# Altium PCB RK_NVR_DEMO1_RK3588_LP4XD200P232SD8_V21_20211228_final_lint.PcbDoc (part 22 of 29) (continued)
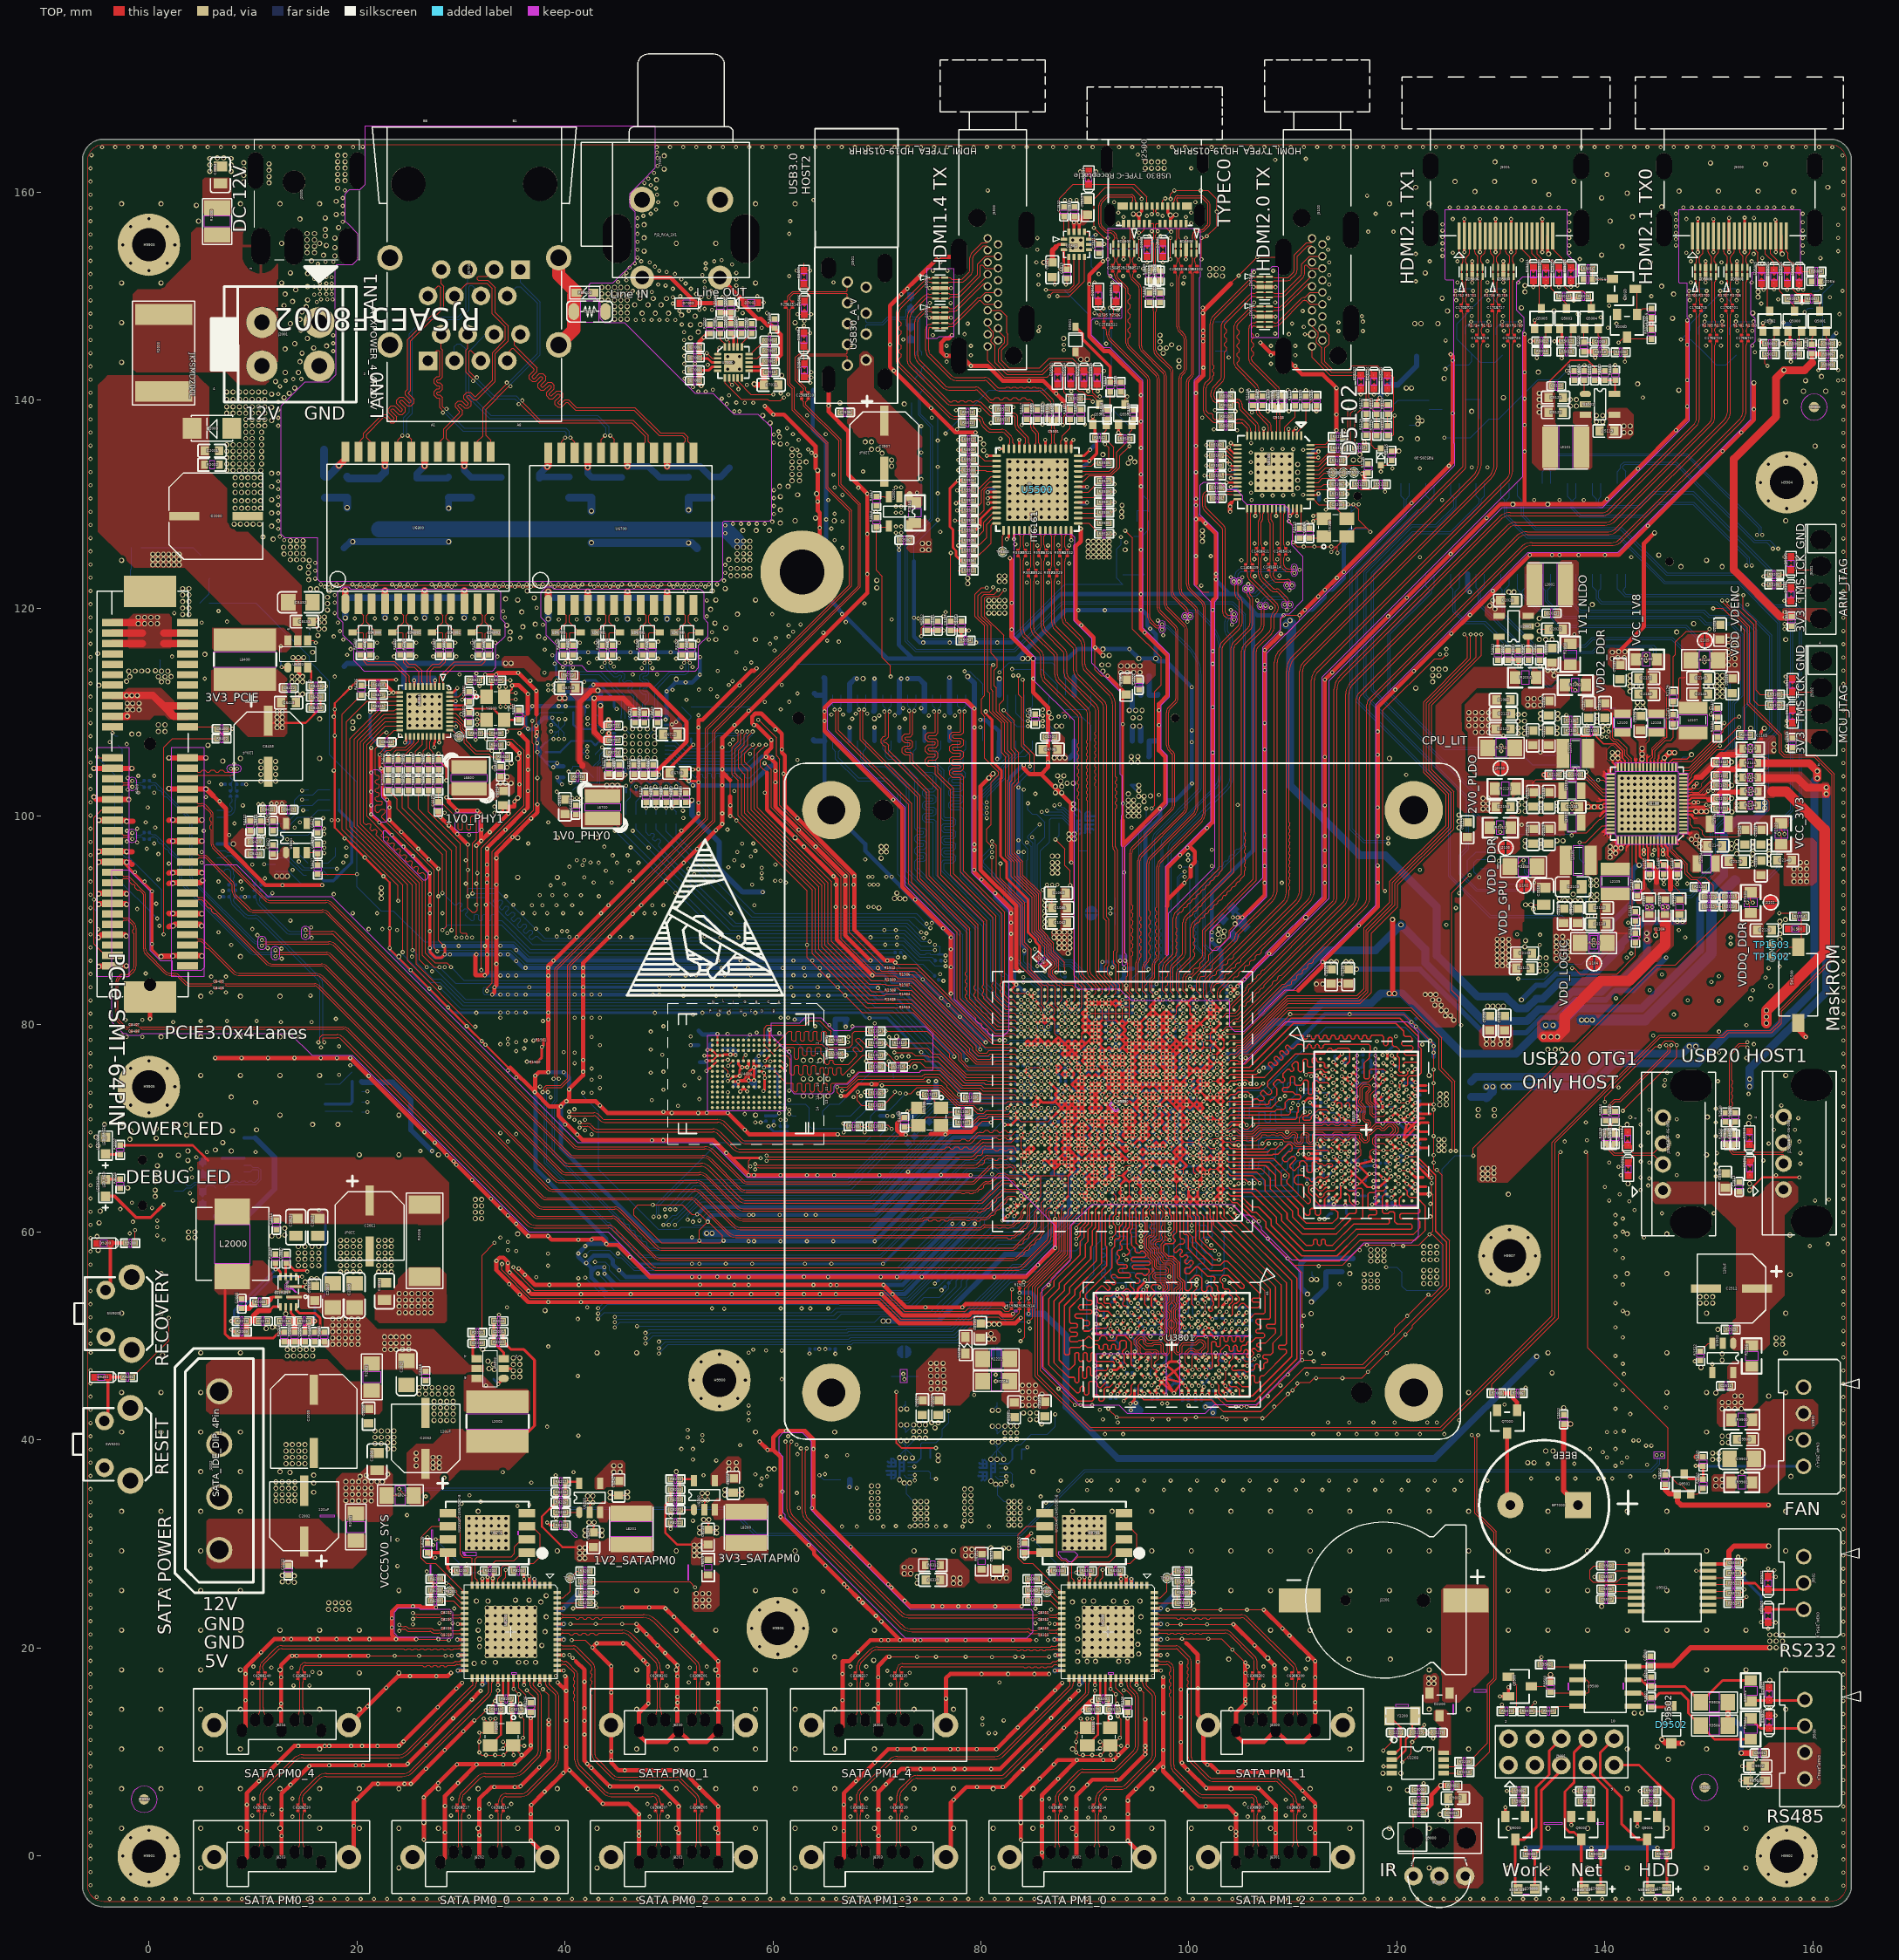
[diagram p0: TOP view]
## Nets (pads, with @x,y where several pads share a name; then routed paths per layer and width w, separated by ;. In a path a pad name is that pad's centre, name@x,y a point inside that pad or via, vN(x,y) a via of type N, cw(c..) or ccw(c..) an arc to the next point about the centre after c; other vN are vias at no path point) (continued)
SATAPM1_TXP_2: C8305.2 J8301.2 | length 4.2
  TOP w0.076: C8305.2@110.556,4.398 ccw(c110.98,3.973) 110.38,3.973 110.38,1.562 ccw(c112.003,1.563) 110.855,0.415 J8301.2@110.875,0.395
SATAPM1_TXP_3: C8320.2 J8303.2 | length 4.2
  TOP w0.076: C8320.2@72.375,4.398 72.356,4.378 ccw(c72.733,4.001) 72.2,4.001 72.2,1.398 ccw(c73.425,1.398) 72.558,0.531 J8303.2@72.695,0.395
SATAPM1_TXP_4: C8335.2 J8304.2 | length 4.2
  TOP w0.076: C8335.2@72.375,17.098 72.356,17.078 ccw(c72.733,16.701) 72.2,16.701 72.2,14.179 ccw(c73.62,14.178) 72.616,13.174 J8304.2@72.695,13.095
SATAPM1_XIN: C8313.1 R8307.2 U8300.39 Y8300.3 | length 7
  TOP w0.203: Y8300.3@90.23,10.644 91.253,11.667 C8313.1@91.253,14.1 91.253,15.044 R8307.2@91.301,15.092 91.469,15.26 U8300.39@91.469,17.127
SATAPM1_XOUT: C8311.1 R8307.1 U8300.40 Y8300.1 | length 5
  TOP w0.203: U8300.40@91.969,17.127 91.969,15.324 R8307.1@92.201,15.092 92.27,15.023 C8311.1@92.27,14.101 92.27,12.503 Y8300.1@92.43,12.344
SLEEP1_RESET1_DEVOFF1_VSEL1: R1103.1 U1000.R32 | length 6.1
  TOP w0.102: v4(83.866,71.281) U1000.R32@84.191,70.956
  BOTTOM w0.089: 82.09,71.362 82.668,71.362 83.1,70.93 83.456,70.93 83.807,71.281 v4(83.866,71.281)
  BOTTOM w0.102: R1103.1@78.699,71.057 79.138,71.057 79.443,71.362 82.09,71.362
  other v3: 83.866,71.281
SPDIF0_TX_M1: R1922.2 R5506.1 U5500.53 | length 48.1
  TOP w0.254: R5506.1@79.283,127.457 79.455,127.457 v4(79.849,127.851) 79.951,127.953 79.951,128.562 81.045,129.657 U5500.53@81.512,129.657 ; v4(80.459,110.071) 80.459,109.868 81.068,109.258 81.068,105.296 81.983,104.382 81.983,103.67 81.881,103.569 81.881,96.152 82.491,95.542 82.491,94.018 84.523,91.986 84.523,88.834 85.234,88.123 85.234,87.922 85.64,87.516 85.64,86.527 R1922.2@85.525,86.412
  L4-S1 w0.254: v4(79.849,127.851) 79.849,121.755 79.443,121.349 79.443,117.488 79.036,117.082 79.036,114.948 79.544,114.44 79.544,110.986 v4(80.459,110.071)
  other v3: 80.459,110.071 79.849,127.851
  other v17: 80.459,110.071 79.849,127.851
SPI2_CLK_M2: R1104.1 U1000.N31 | length 5.2
  TOP w0.102: v4(84.516,69.331) U1000.N31@84.841,69.656
  BOTTOM w0.089: 82.09,70.65 82.541,70.65 82.886,70.306 84,70.306 84.191,70.115 84.191,69.656 v4(84.516,69.331)
  BOTTOM w0.102: R1104.1@80.985,69.787 81.227,69.787 82.09,70.65
  other v3: 84.516,69.331
SPI2_CS0_M2: R1106.1 U1000.K30 | length 17
  TOP w0.102: v4(85.166,67.381) U1000.K30@85.491,67.705
  L6-S2 w0.089: 82.09,67.501 83.239,67.501 83.507,67.768 84.778,67.768 v4(85.166,67.381)
  L6-S2 w0.102: v4(70.908,69.914) 73.321,67.501 82.09,67.501
  BOTTOM w0.102: R1106.1@70.317,69.152 70.317,69.348 70.883,69.914 v4(70.908,69.914)
  other v3: 85.166,67.381 70.908,69.914
  other v12: 85.166,67.381 70.908,69.914
SPI2_MISO_M2: R1107.1 R1108.1 U1000.L29 | length 18.7
  TOP w0.089: v4(85.815,68.681) U1000.L29@86.141,68.356
  TOP w0.102: R1107.1@70.317,70.168 70.444,70.295 71.035,70.295 v4(71.416,69.914)
  L6-S2 w0.089: 82.09,67.806 83.235,67.806 83.405,67.975 85.11,67.975 v4(85.815,68.681)
  L6-S2 w0.102: v4(71.416,69.914) 73.524,67.806 82.09,67.806
  BOTTOM w0.102: R1108.1@70.317,70.168 70.444,70.295 71.035,70.295 v4(71.416,69.914)
  other v3: 85.815,68.681 71.416,69.914
  other v12: 85.815,68.681 71.416,69.914
SPI2_MOSI_M2: R1105.1 U1000.N30 | length 21.1
  TOP w0.102: v4(66.768,70.447) 67.047,70.168 R1105.1@67.308,70.168 ; v4(85.166,69.331) U1000.N30@85.491,69.656
  L6-S2 w0.089: 82.09,68.415 83.405,68.415 83.464,68.356 84.65,68.356 84.84,68.546 84.84,68.835 85.166,69.16 v4(85.166,69.331)
  L6-S2 w0.102: v4(66.768,70.447) 66.844,70.523 71.645,70.523 72.127,70.041 73.855,70.041 75.48,68.415 82.09,68.415
  other v3: 85.166,69.331 66.768,70.447
  other v12: 85.166,69.331 66.768,70.447
TSADC_SHUT_H: R1102.2 U1000.P32 | length 2
  TOP w0.102: v4(83.866,69.981) U1000.P32@84.191,70.306
  BOTTOM w0.089: R1102.2@82.795,69.275 82.795,69.575 83.202,69.981 v4(83.866,69.981)
  other v3: 83.866,69.981
TYPEC0_CC1: C2521.1 D2518.1 J2500.A5 U2503.10 U2503.11 | length 11.4
  TOP w0.102: U2503.11@89.946,156.188 90.216,156.188 90.406,155.999 U2503.10@90.406,155.478 90.873,155.478 C2521.1@91.33,155.022 v4(91.863,155.022) ; J2500.A5@97.715,156.975 97.715,156.671 98.188,156.198 v4(98.289,156.198)
  BOTTOM w0.102: v4(91.863,155.022) 92.313,154.572 97.07,154.572 97.35,154.851 D2518.1@97.35,155.162 97.35,155.41 98.137,156.198 v4(98.289,156.198)
  other v3: 91.863,155.022 98.289,156.198
TYPEC0_CC2: C2520.1 D2519.1 J2500.B5 U2503.1 U2503.14 | length 16.2
  TOP w0.102: U2503.1@87.986,155.478 C2520.1@87.986,157.669 ; U2503.14@88.446,156.188 88.446,157.209 C2520.1@87.986,157.669 ; J2500.B5@95.965,158.675 95.965,159.529 94.75,160.744 D2519.1@90.384,160.744 88.866,160.744 87.549,159.428 87.549,157.946 87.817,157.678 C2520.1@87.977,157.678 C2520.1@87.986,157.669
TYPEC0_DM: D2505.1 J2500.A7 J2500.B7 L2500.1 R2509.2 | length 11.8
  TOP w0.084: J2500.A7@96.214,156.975 96.529,156.975 cw(c96.529,156.891) 96.611,156.909 cw(c96.529,156.89) 96.613,156.891 96.613,156.502 cw(c96.438,156.503) 96.562,156.379 v4(96.433,156.25) 96.487,156.197 cw(c96.183,155.893) 96.613,155.893 96.613,155.588 cw(c96.41,155.588) 96.41,155.385 96.308,155.385 ccw(c96.308,155.201) 96.178,155.331 D2505.1@95.953,155.105 96.529,155.105 cw(c96.529,155.022) 96.611,155.04 cw(c96.529,155.02) 96.613,155.022 96.613,153.025 cw(c96.021,153.025) L2500.1@96.439,152.606 ; J2500.B7@96.965,158.675 96.965,158.429 96.892,158.357 96.852,158.316 ccw(c96.938,158.23) 96.816,158.23 96.816,158.128 ccw(c96.976,158.128) 96.863,158.015 v4(96.997,157.881)
  L6-S2 w0.076: v4(96.433,156.25) 96.614,156.069 96.614,155.637 96.969,155.283 97.51,155.283 97.781,155.554 97.781,156.528 96.816,157.493 96.816,157.7 v4(96.997,157.881)
  other v3: 96.433,156.25 96.997,157.881
  other v12: 96.433,156.25 96.997,157.881
TYPEC0_DP: D2504.1 J2500.A6 J2500.B6 L2500.3 R2506.2 | length 11.1
  TOP w0.084: v4(96.432,157.881) 96.566,158.015 ccw(c96.454,158.128) 96.613,158.128 96.613,158.23 ccw(c96.49,158.23) 96.577,158.316 96.537,158.357 96.465,158.429 J2500.B6@96.465,158.675 ; L2500.3@96.99,152.606 cw(c97.408,153.025) 96.816,153.025 96.816,155.022 cw(c96.9,155.022) 96.9,155.105 D2504.1@97.477,155.105 97.251,155.331 ccw(c97.121,155.201) 97.121,155.385 97.019,155.385 cw(c97.019,155.588) 96.827,155.524 cw(c97.02,155.588) 96.816,155.588 96.816,155.893 cw(c97.239,155.893) 96.94,156.192 v4(96.999,156.25) 96.865,156.384 cw(c96.984,156.503) 96.816,156.502 96.816,156.891 cw(c96.9,156.891) 96.9,156.975 J2500.A6@97.215,156.975
  L6-S2 w0.076: v4(96.432,157.881) 96.613,157.7 96.613,157.409 97.578,156.443 97.578,155.639 97.426,155.486 97.053,155.486 96.818,155.722 96.818,156.07 v4(96.999,156.25)
  other v3: 96.999,156.25 96.432,157.881
  other v12: 96.999,156.25 96.432,157.881
TYPEC0_REXT: R1401.1 U1000.AH16 | length 1
  TOP w0.102: v4(94.265,79.731) U1000.AH16@94.591,79.405
  BOTTOM w0.089: R1401.1@93.866,79.413 93.948,79.413 v4(94.265,79.731)
  other v3: 94.265,79.731
TYPEC0_RX1N: ED2500.1 ED2500.10 J2500.B10 R2502.2 | length 11.7
  TOP w0.084: J2500.B10@98.465,158.675 98.465,158.943 cw(c98.642,158.943) 98.517,159.069 98.567,159.12 ccw(c98.381,159.307) 98.643,159.272 ccw(c98.381,159.307) 98.645,159.307 98.645,159.364 cw(c98.951,159.364) 98.951,159.67 101.114,159.67 cw(c101.113,159.174) 101.464,159.525 101.905,159.084 cw(c101.558,158.738) 102.049,158.738 102.049,157.112 cw(c101.436,157.112) 101.869,156.678 101.845,156.654 101.49,156.299 cw(c101.244,156.545) 101.244,156.198 100.88,156.198 ccw(c100.88,155.952) 100.707,156.126 100.647,156.066 ccw(c100.821,155.893) 100.575,155.893 100.575,155.588 ccw(c100.751,155.588) 100.627,155.464 cw(c100.392,155.229) 100.724,155.229 ED2500.1@100.724,155.009 ED2500.10@100.724,154.135 100.724,153.777 100.576,153.629 100.576,153.331 ccw(c101.269,153.331) R2502.2@100.779,152.841
TYPEC0_RX1P: ED2500.2 ED2500.9 J2500.B11 R2503.2 | length 11.1
  TOP w0.084: J2500.B11@98.964,158.675 98.964,158.863 ccw(c98.567,158.863) 98.887,159.099 cw(c98.981,159.193) 98.848,159.192 98.848,159.364 cw(c98.951,159.364) 98.951,159.467 101.113,159.467 cw(c101.113,159.174) 101.321,159.381 101.761,158.94 cw(c101.558,158.738) 101.845,158.738 101.845,157.112 cw(c101.436,157.112) 101.725,156.822 101.702,156.799 101.346,156.443 cw(c101.244,156.544) 101.244,156.401 100.88,156.401 ccw(c100.88,155.952) 100.563,156.269 100.503,156.21 ccw(c100.821,155.893) 100.372,155.893 100.372,155.581 cw(c100.214,155.581) 100.326,155.469 ccw(c100.573,155.223) 100.224,155.223 ED2500.2@100.224,155.009 ED2500.9@100.224,154.135 100.224,153.777 100.372,153.629 100.372,153.353 cw(c99.689,153.353) 100.172,152.87 R2503.2@100.144,152.841
TYPEC0_RX2N: ED2501.1 ED2501.10 J2500.A10 R2537.2 | length 4.2
  TOP w0.084: J2500.A10@94.715,156.975 94.715,156.58 cw(c94.605,156.58) 94.683,156.502 94.653,156.473 ccw(c94.826,156.299) 94.581,156.299 94.581,155.608 ccw(c94.804,155.608) 94.646,155.45 cw(c94.445,155.249) 94.73,155.249 ED2501.1@94.73,155.009 ED2501.10@94.73,154.135 94.73,153.823 cw(c94.619,153.823) 94.697,153.745 94.632,153.68 ccw(c94.756,153.556) 94.581,153.556 94.581,153.353 ccw(c95.081,153.353) 94.727,152.999 R2537.2@94.784,152.943
TYPEC0_RX2P: ED2501.2 ED2501.9 J2500.A11 R2538.2 | length 4.2
  TOP w0.084: R2538.2@94.149,152.943 94.249,153.043 ccw(c93.939,153.353) 94.378,153.353 94.378,153.556 ccw(c94.202,153.556) 94.326,153.68 94.262,153.745 cw(c94.34,153.823) 94.229,153.823 ED2501.9@94.229,154.135 ED2501.2@94.229,155.009 94.229,155.25 cw(c94.512,155.25) 94.312,155.45 ccw(c94.154,155.608) 94.378,155.608 94.378,156.299 ccw(c94.132,156.299) 94.306,156.473 94.276,156.502 cw(c94.425,156.651) 94.214,156.651 J2500.A11@94.214,156.975
TYPEC0_SBU1: C2522.2 D2517.1 J2500.A8 R2533.2 R2536.1 | length 14.7
  TOP w0.102: v4(92.397,148.882) 92.397,148.984 92.879,149.467 D2517.1@93.026,149.467 93.026,149.156 92.752,148.882 92.752,148.32 R2536.1@92.604,148.171 92.549,148.117 C2522.2@92.549,147.507 ; v4(95.191,156.096) 95.394,156.096 95.715,156.417 J2500.A8@95.715,156.975
  L6-S2 w0.102: v4(92.397,148.882) 92.397,148.984 92.092,149.289 92.092,152.578 94.733,155.22 94.733,155.994 94.937,156.198 95.089,156.198 v4(95.191,156.096)
  BOTTOM w0.102: v4(92.397,148.882) 92.346,148.832 92.346,147.71 R2533.2@92.549,147.507
  other v3: 92.397,148.882 95.191,156.096
  other v12: 92.397,148.882 95.191,156.096
TYPEC0_SBU1/DP0_AUXP: C2522.1 U1000.AL15 | length 73.2
  TOP w0.084: C2522.1@92.549,147.007 92.441,146.899 ccw(c92.795,146.546) 92.295,146.546 92.295,146.304 ccw(c92.815,146.304) 92.447,145.936 96.054,142.329 cw(c95.563,141.839) 96.257,141.839 96.257,119.104 ccw(c96.603,119.104) 96.359,118.86 96.846,118.372 ccw(c97.019,118.546) 97.019,118.3 97.121,118.3 ccw(c97.121,118.676) 97.386,118.41 v4(97.426,118.45)
  TOP w0.102: U1000.AL15@95.241,81.356 v4(95.565,81.031)
  BOTTOM w0.084: v4(95.565,81.031) 95.565,81.17 95.649,81.254 95.852,81.254 96.207,81.608 96.207,82.723 96.003,82.927 96.003,84.121 cw(c96.35,84.121) 96.105,84.366 96.571,84.832 ccw(c96.224,85.179) 96.715,85.179 96.715,97.816 cw(c97.356,97.816) 96.903,98.27 101.101,102.469 ccw(c100.897,102.672) 101.185,102.672 101.185,113.533 ccw(c97.341,113.533) 100.059,116.251 98.11,118.2 ccw(c97.867,117.957) 97.867,118.3 97.731,118.3 cw(c97.731,118.676) 97.465,118.41 v4(97.426,118.45)
  other v3: 95.565,81.031 97.426,118.45
TYPEC0_SBU1_DC: R2533.1 U1000.T29 | length 149.7
  TOP w0.102: U1000.T29@86.141,71.606 v4(86.467,71.932)
  L4-S1 w0.102: v4(51.807,61.202) 51.807,72.682 51.096,73.394 51.096,81.217 53.331,83.452 53.331,85.789 59.529,91.986 59.529,99.911 61.663,102.045 61.663,107.328 63.39,109.055 63.39,113.018 66.133,115.761 66.539,115.761 75.785,125.006 75.785,126.429 76.598,127.242 v4(76.598,136.792)
  BOTTOM w0.089: 82.09,70.854 82.618,70.854 82.922,70.549 84.243,70.549 84.841,71.147 84.841,71.415 85.031,71.605 86.14,71.605 v4(86.467,71.932)
  BOTTOM w0.102: v4(51.807,61.202) 51.807,61.608 53.128,62.929 69.486,62.929 76.903,70.346 79.044,70.346 79.654,70.955 81.989,70.955 82.09,70.854 ; v4(76.598,136.792) 80.763,140.958 86.148,140.958 86.351,141.161 88.282,141.161 88.587,141.466 91.33,141.466 92.549,142.684 R2533.1@92.549,147.007
  other v3: 51.807,61.202 86.467,71.932 76.598,136.792
  other v17: 51.807,61.202 76.598,136.792
TYPEC0_SBU2: C2523.2 D2516.1 J2500.B8 R2534.2 R2535.1 | length 20.3
  TOP w0.102: v4(91.787,148.832) 91.787,149.34 91.66,149.467 D2516.1@91.299,149.467 91.299,148.757 R2535.1@91.885,148.171 91.838,148.124 C2523.2@91.838,147.507 ; J2500.B8@97.465,158.675 97.465,159.183 97.629,159.347 97.68,159.347 v4(97.731,159.398)
  L6-S2 w0.102: v4(91.787,148.832) 91.787,148.857 91.889,148.959 91.889,152.662 94.53,155.304 94.53,156.96 94.196,157.294 94.196,158.149 94.784,158.738 97.019,158.738 97.629,159.347 97.68,159.347 v4(97.731,159.398)
  BOTTOM w0.102: v4(91.787,148.832) 91.838,148.832 92.041,148.628 92.041,147.71 R2534.2@91.838,147.507
  other v3: 91.787,148.832 97.731,159.398
  other v12: 91.787,148.832 97.731,159.398
TYPEC0_SBU2/DP0_AUXN: C2523.1 U1000.AM15 | length 73.3
  TOP w0.084: C2523.1@91.838,147.007 91.945,146.899 cw(c91.592,146.546) 92.092,146.546 92.092,146.304 ccw(c92.815,146.304) 92.304,145.792 95.91,142.185 cw(c95.563,141.838) 96.054,141.838 96.054,119.104 ccw(c96.603,119.104) 96.215,118.716 96.702,118.229 ccw(c97.019,118.546) 97.019,118.097 97.121,118.097 cw(c97.121,117.721) 97.387,117.987 v4(97.426,117.948)
  TOP w0.102: U1000.AM15@95.241,82.006 v4(95.565,81.681)
  BOTTOM w0.084: v4(95.565,81.681) 95.565,81.541 95.649,81.457 95.768,81.457 96.003,81.692 96.003,82.639 95.8,82.842 95.8,84.121 cw(c96.35,84.121) 95.961,84.51 96.427,84.976 ccw(c96.224,85.179) 96.511,85.179 96.511,86.201 96.469,86.243 ; 96.469,86.243 96.426,86.286 96.426,86.537 96.469,86.58 ; 96.469,86.916 96.426,86.958 96.426,87.21 96.469,87.252 ; 96.469,87.589 96.426,87.631 96.426,87.882 96.469,87.925 ; 96.469,88.261 96.426,88.304 96.426,88.555 96.469,88.597 ; 96.469,88.934 96.426,88.976 96.426,89.228 96.469,89.27 ; 96.469,89.606 96.426,89.649 96.426,89.9 96.469,89.943 ; 96.469,86.58 96.511,86.622 96.511,86.874 96.469,86.916 ; 96.469,87.252 96.511,87.295 96.511,87.546 96.469,87.589 ; 96.469,87.925 96.511,87.967 96.511,88.219 96.469,88.261 ; 96.469,88.597 96.511,88.64 96.511,88.891 96.469,88.934 ; 96.469,89.27 96.511,89.312 96.511,89.564 96.469,89.606 ; 96.469,89.943 96.511,89.985 96.511,97.816 cw(c97.356,97.817) 96.759,98.414 100.957,102.612 ccw(c100.898,102.672) 100.982,102.672 100.982,113.533 ccw(c97.341,113.533) 99.915,116.107 97.967,118.056 ccw(c97.85,117.912) 97.85,118.097 97.731,118.097 ccw(c97.73,117.721) 97.465,117.987 v4(97.426,117.948)
  other v3: 95.565,81.681 97.426,117.948
TYPEC0_SBU2_DC: R2534.1 U1000.U33 | length 304.7
  TOP w0.089: v4(83.216,71.931) U1000.U33@83.541,72.256
  L4-S1 w0.102: v4(49.471,60.694) 50.182,59.982 50.182,51.143 50.385,50.94 50.385,42.66 51.807,41.237 v4(51.807,40.983) ; v4(92.041,145.428) 95.8,141.669 95.8,126.835 97.426,125.21 97.426,119.215 98.035,118.606 98.035,117.285 97.629,116.878 97.629,102.553 v4(97.121,102.045) ; v4(138.574,39.154) 138.879,39.459 138.879,66.79 139.488,67.399 139.488,73.292 143.146,76.95 143.146,88.837 v4(142.231,89.751)
  L6-S2 w0.102: v4(51.807,40.983) 56.887,40.983 59.58,38.291 63.745,38.291 64.914,39.459 74.972,39.459 75.48,39.967 77.106,39.967 77.654,39.419 83.872,39.419 84.116,39.662 84.904,39.662 85.92,38.646 127.906,38.646 128.82,39.561 138.167,39.561 v4(138.574,39.154) ; v4(97.121,102.045) 97.527,102.451 100.474,102.451 101.591,103.569 123.537,103.569 125.061,102.045 125.061,99.098 127.093,97.066 128.515,97.066 129.43,96.152 130.141,96.152 130.395,95.898 130.395,94.882 131.36,93.917 132.884,93.917 133.087,94.12 137.05,94.12 138.269,92.901 139.59,92.901 142.231,90.259 v4(142.231,89.751)
  BOTTOM w0.089: 82.09,72.301 82.845,72.301 v4(83.216,71.931)
  BOTTOM w0.102: v4(49.471,60.694) 50.385,61.608 50.69,61.608 52.925,63.843 69.384,63.843 77.233,71.692 78.376,71.692 78.985,72.301 82.09,72.301 ; R2534.1@91.838,147.007 91.838,145.631 v4(92.041,145.428)
  other v3: 138.574,39.154 51.807,40.983 49.471,60.694 83.216,71.931 142.231,89.751 97.121,102.045 92.041,145.428
  other v12: 138.574,39.154 51.807,40.983 142.231,89.751 97.121,102.045
  other v17: 138.574,39.154 51.807,40.983 49.471,60.694 142.231,89.751 97.121,102.045 92.041,145.428
TYPEC0_SSRX1N: R2502.1 U1000.AP13 | length 72.1
  TOP w0.084: U1000.AP13@96.541,83.306 96.45,83.396 96.45,84.203 96.715,84.468 96.715,85.746 cw(c97.062,85.746) 96.816,85.992 97.002,86.177 ccw(c96.713,86.465) 97.121,86.466 97.121,95.118 cw(c97.696,95.118) 97.289,95.525 101.227,99.462 ccw(c100.347,100.342) 101.591,100.342 101.591,120.046 ccw(c100.694,120.046) 101.329,120.68 100.16,121.848 cw(c100.63,122.318) 99.966,122.318 99.966,141.77 cw(c100.21,141.77) 100.037,141.943 100.321,142.227 ccw(c99.975,142.574) 100.465,142.574 100.465,152.23 cw(c100.575,152.23) 100.575,152.341 R2502.1@100.779,152.341
TYPEC0_SSRX1P: R2503.1 U1000.AN13 | length 73.2
  TOP w0.084: U1000.AN13@96.541,82.656 96.541,82.89 96.247,83.183 96.247,84.288 96.511,84.552 96.511,85.746 cw(c97.062,85.747) 96.672,86.135 96.858,86.321 ccw(c96.713,86.466) 96.918,86.466 96.918,86.589 96.816,86.69 96.816,86.942 96.918,87.043 96.918,87.295 96.816,87.396 96.816,87.648 96.918,87.749 96.918,88.001 96.816,88.102 96.816,88.354 96.918,88.456 96.918,88.707 96.816,88.809 96.816,89.06 96.918,89.162 96.918,89.413 96.816,89.515 96.816,89.766 96.918,89.868 96.918,90.119 96.816,90.221 96.816,90.472 96.918,90.574 96.918,90.825 96.816,90.927 96.816,91.178 96.918,91.28 96.918,95.118 cw(c97.696,95.118) 97.146,95.668 101.083,99.606 ccw(c100.348,100.342) 101.388,100.342 101.388,120.045 ccw(c100.694,120.045) 101.185,120.536 100.017,121.704 cw(c100.63,122.318) 99.763,122.318 99.763,141.77 cw(c100.21,141.77) 99.894,142.087 100.178,142.371 ccw(c99.975,142.574) 100.262,142.574 100.262,152.055 ccw(c99.858,152.055) R2503.1@100.144,152.341
TYPEC0_SSRX2N: R2537.1 U1000.AP15 | length 73.7
  TOP w0.084: R2537.1@94.784,152.442 94.774,152.432 ccw(c95.276,151.93) 94.566,151.93 ccw(c94.812,151.93) 94.638,151.757 95.234,151.161 cw(c94.725,150.653) 95.445,150.653 95.445,145.191 ccw(c95.969,145.191) 95.598,144.82 97.63,142.788 cw(c97.161,142.318) 97.825,142.318 97.825,120.434 ccw(c98.338,120.435) 97.975,120.071 98.027,120.019 99.652,118.394 cw(c99.14,117.882) 99.864,117.882 99.864,100.88 cw(c98.997,100.88) 99.61,100.267 95.445,96.101 ccw(c95.813,95.733) 95.292,95.733 95.292,90.36 95.394,90.258 95.394,90.007 95.292,89.905 95.292,89.654 95.394,89.552 95.394,89.301 95.292,89.199 95.292,88.948 95.394,88.846 95.394,88.595 95.292,88.493 95.292,88.242 95.394,88.14 95.394,87.889 95.292,87.787 95.292,87.536 95.394,87.434 95.394,87.182 95.292,87.081 95.292,86.829 95.394,86.728 95.394,86.476 95.292,86.375 95.292,86.178 95.158,86.045 ccw(c95.285,85.918) 95.106,85.918 95.106,83.441 U1000.AP15@95.241,83.306
TYPEC0_SSRX2P: R2538.1 U1000.AN15 | length 73.9
  TOP w0.084: R2538.1@94.149,152.442 94.152,152.439 cw(c93.644,151.931) 94.363,151.93 ccw(c94.812,151.93) 94.494,151.613 95.09,151.017 cw(c94.725,150.652) 95.241,150.652 95.241,145.191 ccw(c95.969,145.191) 95.454,144.676 97.486,142.644 cw(c97.161,142.318) 97.621,142.318 97.621,120.434 ccw(c98.338,120.434) 97.831,119.927 99.509,118.25 cw(c99.141,117.882) 99.661,117.882 99.661,100.88 cw(c98.997,100.88) 99.466,100.411 95.301,96.245 ccw(c95.813,95.733) 95.089,95.733 95.089,86.263 95.015,86.188 ccw(c95.285,85.918) 94.903,85.918 94.903,83.13 95.241,82.792 U1000.AN15@95.241,82.656
TYPEC0_SSTX1N: C2501.1 U1000.AN14 | length 72.9
  TOP w0.084: U1000.AN14@95.891,82.656 95.891,82.89 95.557,83.224 95.557,85.508 cw(c96.097,85.508) 95.715,85.889 95.91,86.085 ccw(c95.82,86.175) 95.948,86.175 95.948,95.468 cw(c96.688,95.468) 96.164,95.991 100.381,100.207 ccw(c99.666,100.922) 100.677,100.922 100.677,119.71 ccw(c100.359,119.711) 100.584,119.935 99.314,121.205 cw(c99.948,121.839) 99.051,121.839 99.051,142.135 cw(c99.602,142.135) 99.212,142.524 99.466,142.778 ccw(c99.242,143.002) 99.559,143.002 99.559,145.78 ccw(c98.895,145.78) 99.365,146.249 99.051,146.563 cw(c99.542,147.053) 98.848,147.053 98.848,151.85 ccw(c98.154,151.85) C2501.1@98.645,152.341
TYPEC0_SSTX1P: C2502.1 U1000.AP14 | length 73.1
  TOP w0.084: U1000.AP14@95.891,83.306 95.76,83.436 95.76,83.665 95.963,83.868 95.963,84.097 95.76,84.3 95.76,85.508 cw(c96.097,85.508) 95.859,85.746 96.054,85.941 ccw(c95.82,86.175) 96.151,86.175 96.151,86.267 96.229,86.345 96.308,86.423 96.308,86.675 96.23,86.753 96.151,86.832 96.151,87.083 96.229,87.162 96.308,87.24 96.308,87.492 96.23,87.57 96.151,87.649 96.151,87.9 96.229,87.979 96.308,88.057 96.308,88.309 96.23,88.387 96.151,88.466 96.151,88.717 96.229,88.796 96.308,88.874 96.308,89.126 96.23,89.204 96.151,89.283 96.151,89.534 96.229,89.612 96.308,89.691 96.308,89.942 96.23,90.021 96.151,90.099 96.151,90.351 96.229,90.429 96.308,90.508 96.308,90.759 96.23,90.838 96.151,90.916 96.151,95.468 cw(c96.688,95.468) 96.308,95.847 100.525,100.064 ccw(c99.666,100.922) 100.88,100.922 100.88,119.71 ccw(c100.359,119.711) 100.728,120.079 99.458,121.349 cw(c99.948,121.839) 99.255,121.839 99.255,142.135 cw(c99.602,142.135) 99.356,142.38 99.61,142.634 ccw(c99.242,143.002) 99.763,143.002 99.763,145.78 ccw(c98.895,145.78) 99.509,146.393 99.255,146.647 99.195,146.707 cw(c99.542,147.054) 99.051,147.054 99.051,151.79 cw(c99.832,151.79) C2502.1@99.28,152.342
TYPEC0_SSTX2N: C2524.1 U1000.AN16 | length 74.5
  TOP w0.084: C2524.1@92.651,152.442 92.723,152.369 cw(c92.386,152.032) 92.863,152.032 ccw(c93.456,152.032) 93.037,151.613 93.904,150.745 cw(c93.759,150.601) 93.964,150.601 93.964,145.44 ccw(c94.491,145.44) 94.118,145.067 96.811,142.374 cw(c96.466,142.03) 96.953,142.03 96.953,120.056 ccw(c97.556,120.056) 97.13,119.63 98.613,118.147 cw(c98.29,117.824) 98.747,117.824 98.747,111.303 cw(c98.429,111.303) 98.654,111.079 98.023,110.448 ccw(c98.485,109.986) 97.832,109.986 97.832,106.82 ccw(c98.526,106.82) 98.034,106.33 98.358,106.007 cw(c98.155,105.804) 98.442,105.804 98.442,101.114 cw(c97.95,101.114) 98.298,100.766 94.539,97.007 ccw(c95.111,96.435) 94.302,96.434 94.302,83.579 94.276,83.553 94.276,83.147 94.591,82.832 U1000.AN16@94.591,82.656
TYPEC0_SSTX2P: C2525.1 U1000.AP16 | length 75.4
  TOP w0.084: C2525.1@93.286,152.443 93.202,152.36 ccw(c93.53,152.032) 93.066,152.032 ccw(c93.456,152.032) 93.181,151.756 93.235,151.702 94.048,150.889 cw(c93.759,150.601) 94.167,150.601 94.167,150.279 94.378,150.068 94.378,149.817 94.167,149.606 94.167,149.355 94.378,149.144 94.378,148.892 94.167,148.681 94.167,148.43 94.378,148.219 94.378,147.968 94.167,147.757 94.167,147.505 94.378,147.295 94.378,147.043 94.167,146.832 94.167,146.581 94.378,146.37 94.378,146.119 94.167,145.908 94.167,145.44 ccw(c94.491,145.44) 94.262,145.211 96.954,142.518 cw(c96.466,142.03) 97.157,142.03 97.157,120.056 ccw(c97.556,120.056) 97.273,119.774 98.757,118.291 cw(c98.29,117.824) 98.95,117.824 98.95,111.303 cw(c98.429,111.303) 98.797,110.935 98.167,110.305 ccw(c98.485,109.986) 98.035,109.986 98.035,106.82 ccw(c98.526,106.82) 98.179,106.473 98.188,106.464 98.501,106.151 cw(c98.155,105.804) 98.645,105.804 98.645,101.114 cw(c97.95,101.114) 98.442,100.622 94.682,96.863 ccw(c95.111,96.434) 94.505,96.434 94.505,91.476 94.624,91.356 94.624,91.105 94.505,90.985 94.505,90.734 94.624,90.614 94.624,90.363 94.505,90.244 94.505,89.992 94.624,89.873 94.624,89.621 94.505,89.502 94.505,89.251 94.624,89.131 94.624,88.88 94.505,88.76 94.505,88.509 94.624,88.389 94.624,88.138 94.505,88.019 94.505,87.767 94.624,87.648 94.624,87.396 94.505,87.277 94.505,87.025 94.624,86.906 94.624,86.655 94.505,86.535 94.505,83.494 94.479,83.469 94.479,83.417 U1000.AP16@94.591,83.306
TYPEC0_TX1N: C2501.2 ED2500.5 ED2500.6 J2500.A3 | length 4.3
  TOP w0.084: C2501.2@98.645,152.841 98.708,152.904 ccw(c98.311,153.301) 98.873,153.301 98.873,153.629 98.724,153.777 ED2500.6@98.724,154.135 ED2500.5@98.724,155.009 98.724,155.291 cw(c98.908,155.291) 98.778,155.421 98.805,155.449 ccw(c98.666,155.588) 98.863,155.588 98.863,156.417 ccw(c98.763,156.417) 98.834,156.488 cw(c99.121,156.776) 98.715,156.776 J2500.A3@98.715,156.975
TYPEC0_TX1P: C2502.2 ED2500.4 ED2500.7 J2500.A2 | length 4.3
  TOP w0.084: J2500.A2@99.215,156.975 99.215,156.759 cw(c98.848,156.759) 99.107,156.5 ccw(c99.206,156.401) 99.066,156.401 99.066,155.588 ccw(c99.219,155.588) 99.111,155.48 99.129,155.462 cw(c98.899,155.232) 99.224,155.232 ED2500.4@99.224,155.009 ED2500.7@99.224,154.135 99.224,153.777 99.076,153.629 99.076,153.301 ccw(c99.691,153.301) 99.256,152.866 C2502.2@99.28,152.842
TYPEC0_TX2N: C2524.2 ED2501.5 ED2501.6 J2500.B3 | length 11.8
  TOP w0.084: C2524.2@92.651,152.943 92.749,153.041 ccw(c92.436,153.353) 92.878,153.353 92.878,153.556 ccw(c92.703,153.556) 92.827,153.68 cw(c93.061,153.914) 92.73,153.914 ED2501.6@92.73,154.135 ED2501.5@92.73,155.009 92.73,155.298 cw(c92.897,155.298) 92.779,155.416 92.827,155.465 ccw(c92.703,155.588) 92.878,155.588 ccw(c92.446,155.588) 92.752,155.893 92.651,155.994 ccw(c92.405,155.749) 92.405,156.096 92.199,156.096 cw(c92.199,156.559) 91.872,156.232 91.465,156.638 cw(c91.77,156.943) 91.339,156.943 91.339,158.741 cw(c91.968,158.74) 91.523,159.185 91.558,159.22 91.914,159.576 cw(c92.343,159.146) 92.343,159.754 94.446,159.754 cw(c94.446,159.383) 94.816,159.383 94.816,159.273 ccw(c95.015,159.273) 94.874,159.133 cw(c94.657,158.915) 94.965,158.915 J2500.B3@94.965,158.675
TYPEC0_TX2P: C2525.2 ED2501.4 ED2501.7 J2500.B2 | length 11.1
  TOP w0.084: C2525.2@93.286,152.944 93.226,153.003 cw(c93.575,153.353) 93.081,153.353 93.081,153.556 cw(c93.256,153.556) 93.132,153.68 ccw(c92.897,153.915) 93.23,153.915 ED2501.7@93.23,154.135 ED2501.4@93.23,155.009 93.23,155.233 ccw(c92.905,155.233) 93.134,155.462 cw(c93.263,155.591) 93.081,155.589 cw(c93.263,155.59) 93.081,155.591 93.081,155.69 ccw(c92.692,155.69) 92.967,155.965 92.794,156.138 ccw(c92.405,155.749) 92.405,156.299 92.199,156.299 cw(c92.199,156.559) 92.016,156.375 91.609,156.782 cw(c91.77,156.943) 91.542,156.943 91.542,158.74 cw(c91.968,158.74) 91.667,159.041 91.702,159.076 92.058,159.432 cw(c92.343,159.146) 92.343,159.55 94.446,159.55 cw(c94.446,159.383) 94.613,159.383 94.613,159.246 cw(c94.479,159.246) 94.574,159.151 ccw(c94.837,158.888) 94.465,158.888 J2500.B2@94.465,158.675
TYPEC0_USB20_OTG_DM: R2508.1 U1000.AM12 | length 74.2
  TOP w0.084: R2508.1@96.207,149.397 96.249,149.355 cw(c95.369,148.476) 96.613,148.476 96.613,144.814 ccw(c97.296,144.814) 96.813,144.331 98.146,142.998 98.169,142.975 cw(c97.88,142.685) 98.289,142.685 98.289,121.514 ccw(c99.013,121.513) 98.501,121.002 99.619,119.884 cw(c99.272,119.537) 99.763,119.537 99.763,119.364 v4(99.613,119.215)
  TOP w0.102: U1000.AM12@97.191,82.006 v4(97.515,82.331)
  BOTTOM w0.084: v4(97.515,82.331) 97.51,82.331 97.397,82.444 97.397,82.712 97.527,82.842 97.527,97.371 cw(c98.06,97.371) 97.683,97.748 102.55,102.614 ccw(c101.184,103.98) 103.115,103.98 103.115,115.953 ccw(c99.205,115.953) 101.97,118.718 100.947,119.741 ccw(c100.744,119.537) 100.744,119.825 100.05,119.825 ccw(c100.05,119.538) 99.763,119.538 cw(c99.344,119.538) 99.64,119.242 v4(99.613,119.215)
  other v3: 97.515,82.331 99.613,119.215
TYPEC0_USB20_OTG_DP: R2507.1 U1000.AL12 | length 74.9
  TOP w0.084: R2507.1@97.223,149.397 97.18,149.355 ccw(c98.06,148.476) 96.816,148.476 96.816,144.814 ccw(c97.296,144.814) 96.957,144.475 98.289,143.143 98.313,143.119 cw(c97.88,142.685) 98.493,142.685 98.493,121.514 ccw(c99.013,121.514) 98.645,121.146 99.763,120.028 cw(c99.272,119.537) 99.966,119.537 99.966,119.365 v4(100.115,119.215)
  TOP w0.102: U1000.AL12@97.191,81.356 v4(97.515,81.681)
  BOTTOM w0.084: v4(97.515,81.681) 97.515,81.838 97.193,82.16 97.193,82.796 97.324,82.927 97.324,84.516 97.223,84.618 97.223,84.869 97.324,84.971 97.324,85.222 97.223,85.324 97.223,85.575 97.324,85.677 97.324,85.928 97.223,86.03 97.223,86.281 97.324,86.383 97.324,86.634 97.223,86.736 97.223,86.987 97.324,87.089 97.324,87.34 97.223,87.442 97.223,87.694 97.324,87.795 97.324,88.047 97.223,88.148 97.223,88.4 97.324,88.501 97.324,88.753 97.223,88.854 97.223,89.106 97.324,89.207 97.324,97.371 cw(c98.06,97.371) 97.54,97.891 102.406,102.758 ccw(c101.184,103.98) 102.912,103.98 102.912,115.953 ccw(c99.205,115.952) 101.826,118.574 100.803,119.597 ccw(c100.744,119.538) 100.744,119.622 100.05,119.622 ccw(c100.05,119.538) 99.966,119.538 ccw(c100.384,119.538) 100.088,119.242 v4(100.115,119.215)
  other v3: 97.515,81.681 100.115,119.215

## Text inside footprints (layer, text, board x,y; h text height)
R6709: PIN_NUMBER "2" at 40.69,109.961 h0.25; PIN_NUMBER "1" at 39.79,109.961 h0.25; ASSEMBLY_TOP "0R" at 40.138,109.834 h0.25 r180
R6710: PIN_NUMBER "1" at 53.926,132.628 h0.25 r270; PIN_NUMBER "2" at 53.926,130.628 h0.25 r270; ASSEMBLY_TOP "75R" at 53.85,131.628 h0.25 r270
R6711: PIN_NUMBER "2" at 51.793,130.628 h0.25 r270; PIN_NUMBER "1" at 51.793,132.628 h0.25 r270; ASSEMBLY_TOP "75R" at 51.717,131.628 h0.25 r270
R6712: PIN_NUMBER "2" at 42.446,130.628 h0.25 r270; PIN_NUMBER "1" at 42.446,132.628 h0.25 r270; ASSEMBLY_TOP "75R" at 42.369,131.628 h0.25 r270
R6713: PIN_NUMBER "2" at 40.312,130.628 h0.25 r270; PIN_NUMBER "1" at 40.312,132.628 h0.25 r270; ASSEMBLY_TOP "75R" at 40.236,131.628 h0.25 r270
R6714: PIN_NUMBER "2" at 42.649,104.796 h0.25; PIN_NUMBER "1" at 41.748,104.796 h0.25; ASSEMBLY_TOP "100R" at 41.894,104.669 h0.25 r180
R6715: PIN_NUMBER "2" at 39.766,104.797 h0.25 r180; PIN_NUMBER "1" at 40.666,104.797 h0.25 r180; ASSEMBLY_TOP "120R" at 39.911,104.67 h0.25 r180
R6716: PIN_NUMBER "2" at 45.002,106.118 h0.25; PIN_NUMBER "1" at 44.102,106.118 h0.25; ASSEMBLY_TOP "4.7K" at 44.247,105.991 h0.25
R6717: PIN_NUMBER "2" at 44.153,104.951 h0.25 r90; PIN_NUMBER "1" at 44.153,104.051 h0.25 r90; ASSEMBLY_TOP "4.7K" at 43.975,104.501 h0.25 r90
R6718: PIN_NUMBER "2" at 39.766,103.719 h0.25 r180; PIN_NUMBER "1" at 40.666,103.719 h0.25 r180; ASSEMBLY_TOP "4.7K" at 39.911,103.592 h0.25 r180
R6719: PIN_NUMBER "2" at 40.689,103.747 h0.25 r180; PIN_NUMBER "1" at 41.589,103.747 h0.25 r180; ASSEMBLY_TOP "4.7K" at 40.835,103.62 h0.25
R6720: PIN_NUMBER "2" at 39.766,102.513 h0.25 r180; PIN_NUMBER "1" at 40.666,102.513 h0.25 r180; ASSEMBLY_TOP "4.7K" at 39.911,102.386 h0.25 r180
R6721: PIN_NUMBER "2" at 41.828,109.961 h0.25 r180; PIN_NUMBER "1" at 42.728,109.961 h0.25 r180; ASSEMBLY_TOP "2.49K" at 41.871,109.834 h0.25 r180
R6722: PIN_NUMBER "2" at 50.605,102.312 h0.25 r90; PIN_NUMBER "1" at 50.605,101.412 h0.25 r90; ASSEMBLY_TOP "4.7K" at 50.427,101.862 h0.25 r270
R6723: PIN_NUMBER "2" at 50.597,101.328 h0.25 r270; PIN_NUMBER "1" at 50.597,102.228 h0.25 r270; ASSEMBLY_TOP "4.7K" at 50.419,101.778 h0.25 r90
R6724: PIN_NUMBER "2" at 45.779,102.312 h0.25 r90; PIN_NUMBER "1" at 45.779,101.412 h0.25 r90; ASSEMBLY_TOP "4.7K" at 45.601,101.862 h0.25 r270
R6725: PIN_NUMBER "2" at 46.744,102.312 h0.25 r90; PIN_NUMBER "1" at 46.744,101.412 h0.25 r90; ASSEMBLY_TOP "4.7K" at 46.566,101.862 h0.25 r270
R6726: PIN_NUMBER "2" at 47.709,102.312 h0.25 r90; PIN_NUMBER "1" at 47.709,101.412 h0.25 r90; ASSEMBLY_TOP "4.7K" at 47.531,101.862 h0.25 r270
R6727: PIN_NUMBER "2" at 47.709,101.328 h0.25 r270; PIN_NUMBER "1" at 47.709,102.228 h0.25 r270; ASSEMBLY_TOP "4.7K" at 47.531,101.778 h0.25 r90
R6728: PIN_NUMBER "2" at 48.674,102.312 h0.25 r90; PIN_NUMBER "1" at 48.674,101.412 h0.25 r90; ASSEMBLY_TOP "4.7K" at 48.496,101.862 h0.25 r270
R6729: PIN_NUMBER "2" at 48.674,101.328 h0.25 r270; PIN_NUMBER "1" at 48.674,102.228 h0.25 r270; ASSEMBLY_TOP "4.7K" at 48.496,101.778 h0.25 r90
R6730: PIN_NUMBER "2" at 51.511,102.228 h0.25 r90; PIN_NUMBER "1" at 51.511,101.328 h0.25 r90; ASSEMBLY_TOP "0R" at 51.536,101.778 h0.25 r90
R6731: PIN_NUMBER "2" at 49.639,102.312 h0.25 r90; PIN_NUMBER "1" at 49.639,101.412 h0.25 r90; ASSEMBLY_TOP "4.7K" at 49.462,101.862 h0.25 r270
R6732: PIN_NUMBER "2" at 49.639,101.328 h0.25 r270; PIN_NUMBER "1" at 49.639,102.228 h0.25 r270; ASSEMBLY_TOP "4.7K" at 49.462,101.778 h0.25 r90
R6733: PIN_NUMBER "2" at 40.678,113.551 h0.25; PIN_NUMBER "1" at 39.777,113.551 h0.25; ASSEMBLY_TOP "0R" at 40.126,113.424 h0.25
R6734: PIN_NUMBER "1" at 51.128,109.536 h0.25; PIN_NUMBER "2" at 52.028,109.536 h0.25; ASSEMBLY_TOP "4.7K" at 51.273,109.409 h0.25 r180
R6735: PIN_NUMBER "1" at 52.028,107.466 h0.25 r180; PIN_NUMBER "2" at 51.128,107.466 h0.25 r180; ASSEMBLY_TOP "1.8K" at 51.273,107.339 h0.25 r180
R6736: PIN_NUMBER "2" at 51.128,110.501 h0.25 r180; PIN_NUMBER "1" at 52.028,110.501 h0.25 r180; ASSEMBLY_TOP "0R" at 51.477,110.374 h0.25 r180
R6737: PIN_NUMBER "1" at 47.709,100.173 h0.25 r270; PIN_NUMBER "2" at 47.709,99.273 h0.25 r270; ASSEMBLY_TOP "22R" at 47.633,99.723 h0.25 r270
R6738: PIN_NUMBER "1" at 48.674,100.173 h0.25 r270; PIN_NUMBER "2" at 48.674,99.273 h0.25 r270; ASSEMBLY_TOP "22R" at 48.598,99.723 h0.25 r270
R6739: PIN_NUMBER "1" at 49.639,100.173 h0.25 r270; PIN_NUMBER "2" at 49.639,99.273 h0.25 r270; ASSEMBLY_TOP "22R" at 49.563,99.723 h0.25 r270
R6740: PIN_NUMBER "1" at 50.605,100.173 h0.25 r270; PIN_NUMBER "2" at 50.605,99.273 h0.25 r270; ASSEMBLY_TOP "22R" at 50.528,99.723 h0.25 r270
R6741: PIN_NUMBER "1" at 45.779,100.173 h0.25 r270; PIN_NUMBER "2" at 45.779,99.273 h0.25 r270; ASSEMBLY_TOP "22R" at 45.702,99.723 h0.25 r270
R6742: PIN_NUMBER "1" at 46.744,100.173 h0.25 r270; PIN_NUMBER "2" at 46.744,99.273 h0.25 r270; ASSEMBLY_TOP "22R" at 46.668,99.723 h0.25 r270
R6800: PIN_NUMBER "2" at 20.235,116.409 h0.25 r90; PIN_NUMBER "1" at 20.235,115.509 h0.25 r90; ASSEMBLY_TOP "0R" at 20.261,115.959 h0.25 r90
R6801: PIN_NUMBER "2" at 21.15,116.409 h0.25 r90; PIN_NUMBER "1" at 21.15,115.509 h0.25 r90; ASSEMBLY_TOP "0R" at 21.175,115.959 h0.25 r90
R6802: PIN_NUMBER "2" at 35.458,110.171 h0.25 r90; PIN_NUMBER "1" at 35.458,109.271 h0.25 r90; ASSEMBLY_TOP "0R" at 35.484,109.721 h0.25 r90
R6803: PIN_NUMBER "2" at 24.045,116.409 h0.25 r90; PIN_NUMBER "1" at 24.045,115.509 h0.25 r90; ASSEMBLY_TOP "0R" at 24.071,115.959 h0.25 r90
R6804: PIN_NUMBER "1" at 24.96,115.509 h0.25 r90; PIN_NUMBER "2" at 24.96,116.409 h0.25 r90; ASSEMBLY_TOP "0R" at 24.985,115.959 h0.25 r90
R6805: PIN_NUMBER "2" at 27.855,116.409 h0.25 r90; PIN_NUMBER "1" at 27.855,115.509 h0.25 r90; ASSEMBLY_TOP "0R" at 27.881,115.959 h0.25 r90
R6806: PIN_NUMBER "1" at 28.77,115.509 h0.25 r90; PIN_NUMBER "2" at 28.77,116.409 h0.25 r90; ASSEMBLY_TOP "0R" at 28.795,115.959 h0.25 r90
R6807: PIN_NUMBER "2" at 31.665,116.409 h0.25 r90; PIN_NUMBER "1" at 31.665,115.509 h0.25 r90; ASSEMBLY_TOP "0R" at 31.691,115.959 h0.25 r90
R6808: PIN_NUMBER "1" at 32.58,115.509 h0.25 r90; PIN_NUMBER "2" at 32.58,116.409 h0.25 r90; ASSEMBLY_TOP "0R" at 32.605,115.959 h0.25 r90
R6809: PIN_NUMBER "2" at 32.826,113.06 h0.25 r180; PIN_NUMBER "1" at 33.726,113.06 h0.25 r180; ASSEMBLY_TOP "0R" at 33.174,112.933 h0.25
R6810: PIN_NUMBER "2" at 30.863,130.628 h0.25 r270; PIN_NUMBER "1" at 30.863,132.628 h0.25 r270; ASSEMBLY_TOP "75R" at 30.787,131.628 h0.25 r270
R6811: PIN_NUMBER "2" at 28.73,130.628 h0.25 r270; PIN_NUMBER "1" at 28.73,132.628 h0.25 r270; ASSEMBLY_TOP "75R" at 28.653,131.628 h0.25 r270
R6812: PIN_NUMBER "1" at 18.965,132.628 h0.25 r270; PIN_NUMBER "2" at 18.965,130.628 h0.25 r270; ASSEMBLY_TOP "75R" at 18.889,131.628 h0.25 r270
R6813: PIN_NUMBER "2" at 16.832,130.628 h0.25 r270; PIN_NUMBER "1" at 16.832,132.628 h0.25 r270; ASSEMBLY_TOP "75R" at 16.755,131.628 h0.25 r270
R6814: PIN_NUMBER "2" at 30.867,107.946 h0.25 r180; PIN_NUMBER "1" at 31.767,107.946 h0.25 r180; ASSEMBLY_TOP "100R" at 31.012,107.819 h0.25
R6815: PIN_NUMBER "2" at 31.926,108.014 h0.25 r180; PIN_NUMBER "1" at 32.826,108.014 h0.25 r180; ASSEMBLY_TOP "120R" at 32.072,107.887 h0.25 r180
R6816: PIN_NUMBER "2" at 28.514,109.216 h0.25 r180; PIN_NUMBER "1" at 29.414,109.216 h0.25 r180; ASSEMBLY_TOP "4.7K" at 28.659,109.089 h0.25 r180
R6817: PIN_NUMBER "1" at 29.363,107.15 h0.25 r90; PIN_NUMBER "2" at 29.363,108.05 h0.25 r90; ASSEMBLY_TOP "4.7K" at 29.185,107.6 h0.25 r270
R6818: PIN_NUMBER "2" at 33.75,106.843 h0.25; PIN_NUMBER "1" at 32.85,106.843 h0.25; ASSEMBLY_TOP "4.7K" at 32.995,106.716 h0.25
R6819: PIN_NUMBER "2" at 32.826,106.845 h0.25; PIN_NUMBER "1" at 31.926,106.845 h0.25; ASSEMBLY_TOP "4.7K" at 32.072,106.718 h0.25 r180
R6820: PIN_NUMBER "2" at 34.376,105.702 h0.25; PIN_NUMBER "1" at 33.476,105.702 h0.25; ASSEMBLY_TOP "4.7K" at 33.621,105.575 h0.25
R6821: PIN_NUMBER "2" at 31.688,113.06 h0.25; PIN_NUMBER "1" at 30.788,113.06 h0.25; ASSEMBLY_TOP "2.49K" at 30.832,112.933 h0.25
R6822: PIN_NUMBER "1" at 22.911,105.385 h0.25 r270; PIN_NUMBER "2" at 22.911,104.485 h0.25 r270; ASSEMBLY_TOP "4.7K" at 22.733,104.935 h0.25 r90
R6823: PIN_NUMBER "2" at 27.737,105.385 h0.25 r90; PIN_NUMBER "1" at 27.737,104.485 h0.25 r90; ASSEMBLY_TOP "4.7K" at 27.559,104.935 h0.25 r90
R6824: PIN_NUMBER "1" at 27.694,105.354 h0.25 r270; PIN_NUMBER "2" at 27.694,104.454 h0.25 r270; ASSEMBLY_TOP "4.7K" at 27.517,104.904 h0.25 r270
R6825: PIN_NUMBER "2" at 26.772,105.385 h0.25 r90; PIN_NUMBER "1" at 26.772,104.485 h0.25 r90; ASSEMBLY_TOP "4.7K" at 26.594,104.935 h0.25 r90
R6826: PIN_NUMBER "2" at 25.807,105.385 h0.25 r90; PIN_NUMBER "1" at 25.807,104.485 h0.25 r90; ASSEMBLY_TOP "4.7K" at 25.629,104.935 h0.25 r90
R6827: PIN_NUMBER "1" at 25.807,105.36 h0.25 r270; PIN_NUMBER "2" at 25.807,104.46 h0.25 r270; ASSEMBLY_TOP "4.7K" at 25.629,104.91 h0.25 r270
R6828: PIN_NUMBER "2" at 24.841,105.385 h0.25 r90; PIN_NUMBER "1" at 24.841,104.485 h0.25 r90; ASSEMBLY_TOP "4.7K" at 24.664,104.935 h0.25 r90
R6829: PIN_NUMBER "1" at 24.841,105.36 h0.25 r270; PIN_NUMBER "2" at 24.841,104.46 h0.25 r270; ASSEMBLY_TOP "4.7K" at 24.664,104.91 h0.25 r270
R6830: PIN_NUMBER "1" at 20.369,108.852 h0.25; PIN_NUMBER "2" at 21.269,108.852 h0.25; ASSEMBLY_TOP "0R" at 20.718,108.725 h0.25 r180
R6831: PIN_NUMBER "2" at 23.876,105.385 h0.25 r90; PIN_NUMBER "1" at 23.876,104.485 h0.25 r90; ASSEMBLY_TOP "4.7K" at 23.698,104.935 h0.25 r90
R6832: PIN_NUMBER "1" at 23.876,105.36 h0.25 r270; PIN_NUMBER "2" at 23.876,104.46 h0.25 r270; ASSEMBLY_TOP "4.7K" at 23.698,104.91 h0.25 r270
R6833: PIN_NUMBER "1" at 24.399,112.401 h0.25 r180; PIN_NUMBER "2" at 23.499,112.401 h0.25 r180; ASSEMBLY_TOP "0R" at 23.847,112.274 h0.25 r180
R6834: PIN_NUMBER "1" at 22.388,112.635 h0.25 r180; PIN_NUMBER "2" at 21.487,112.635 h0.25 r180; ASSEMBLY_TOP "4.7K" at 21.633,112.508 h0.25
R6835: PIN_NUMBER "1" at 21.487,110.564 h0.25; PIN_NUMBER "2" at 22.388,110.564 h0.25; ASSEMBLY_TOP "1.8K" at 21.633,110.437 h0.25
R6836: PIN_NUMBER "1" at 20.311,111.653 h0.25 r90; PIN_NUMBER "2" at 20.311,112.553 h0.25 r90; ASSEMBLY_TOP "0R" at 20.337,112.103 h0.25 r90
R6837: PIN_NUMBER "2" at 25.807,102.473 h0.25 r270; PIN_NUMBER "1" at 25.807,103.373 h0.25 r270; ASSEMBLY_TOP "22R" at 25.73,102.923 h0.25 r90
R6838: PIN_NUMBER "1" at 24.841,103.373 h0.25 r270; PIN_NUMBER "2" at 24.841,102.473 h0.25 r270; ASSEMBLY_TOP "22R" at 24.765,102.923 h0.25 r90
R6839: PIN_NUMBER "2" at 23.876,102.473 h0.25 r270; PIN_NUMBER "1" at 23.876,103.373 h0.25 r270; ASSEMBLY_TOP "22R" at 23.8,102.923 h0.25 r90
R6840: PIN_NUMBER "2" at 22.911,102.473 h0.25 r270; PIN_NUMBER "1" at 22.911,103.373 h0.25 r270; ASSEMBLY_TOP "22R" at 22.835,102.923 h0.25 r90
R6841: PIN_NUMBER "1" at 27.737,103.373 h0.25 r270; PIN_NUMBER "2" at 27.737,102.473 h0.25 r270; ASSEMBLY_TOP "22R" at 27.661,102.923 h0.25 r90
R6842: PIN_NUMBER "2" at 26.772,102.473 h0.25 r270; PIN_NUMBER "1" at 26.772,103.373 h0.25 r270; ASSEMBLY_TOP "22R" at 26.696,102.923 h0.25 r90
R7000: PIN_NUMBER "1" at 54.83,148.432 h0.25 r90; PIN_NUMBER "2" at 54.83,149.332 h0.25 r90; ASSEMBLY_TOP "10K" at 54.754,148.882 h0.25 r90
R7001: PIN_NUMBER "2" at 55.846,149.332 h0.25 r90; PIN_NUMBER "1" at 55.846,148.432 h0.25 r90; ASSEMBLY_TOP "10K" at 55.77,148.882 h0.25 r90
R7002: PIN_NUMBER "2" at 53.839,147.3 h0.25 r90; PIN_NUMBER "1" at 53.839,146.4 h0.25 r90; ASSEMBLY_TOP "10K" at 53.763,146.85 h0.25 r90
R7003: PIN_NUMBER "2" at 60.037,147.808 h0.25 r90; PIN_NUMBER "1" at 60.037,146.908 h0.25 r90; ASSEMBLY_TOP "10K" at 59.961,147.358 h0.25 r90
R7004: PIN_NUMBER "2" at 54.855,147.3 h0.25 r90; PIN_NUMBER "1" at 54.855,146.4 h0.25 r90; ASSEMBLY_TOP "10K" at 54.779,146.85 h0.25 r90
R7005: PIN_NUMBER "2" at 129.927,44.504 h0.25; PIN_NUMBER "1" at 129.027,44.504 h0.25; ASSEMBLY_TOP "10K" at 129.274,44.377 h0.25
R7006: PIN_NUMBER "2" at 131.946,44.504 h0.25; PIN_NUMBER "1" at 131.046,44.504 h0.25; ASSEMBLY_TOP "51K" at 131.293,44.377 h0.25
R8200: PIN_NUMBER "1" at 42.308,25.345 h0.25 r180; PIN_NUMBER "2" at 41.408,25.345 h0.25 r180; ASSEMBLY_TOP "100K" at 41.553,25.218 h0.25
R8201: PIN_NUMBER "1" at 42.308,26.374 h0.25 r180; PIN_NUMBER "2" at 41.408,26.374 h0.25 r180; ASSEMBLY_TOP "0R" at 41.756,26.247 h0.25
R8202: PIN_NUMBER "1" at 42.308,27.403 h0.25 r180; PIN_NUMBER "2" at 41.408,27.403 h0.25 r180; ASSEMBLY_TOP "4.7K" at 41.553,27.276 h0.25
R8203: PIN_NUMBER "1" at 33.131,27.42 h0.25 r180; PIN_NUMBER "2" at 32.231,27.42 h0.25 r180; ASSEMBLY_TOP "10K" at 32.478,27.293 h0.25
R8204: PIN_NUMBER "1" at 35.874,27.42 h0.25 r180; PIN_NUMBER "2" at 34.974,27.42 h0.25 r180; ASSEMBLY_TOP "10K" at 35.221,27.293 h0.25
R8205: PIN_NUMBER "1" at 29.488,27.42 h0.25; PIN_NUMBER "2" at 30.388,27.42 h0.25; ASSEMBLY_TOP "10K" at 29.735,27.293 h0.25
R8206: PIN_NUMBER "2" at 36.618,13.838 h0.25 r270; PIN_NUMBER "1" at 36.618,14.738 h0.25 r270; ASSEMBLY_TOP "12K" at 36.542,14.288 h0.25 r90
R8207: PIN_NUMBER "2" at 33.795,15.092 h0.25 r180; PIN_NUMBER "1" at 34.695,15.092 h0.25 r180; ASSEMBLY_TOP "1M" at 34.144,14.965 h0.25
R8208: PIN_NUMBER "1" at 26.996,26.632 h0.25; PIN_NUMBER "2" at 27.896,26.632 h0.25; ASSEMBLY_TOP "4.7K" at 27.141,26.505 h0.25
R8209: PIN_NUMBER "1" at 26.996,24.541 h0.25; PIN_NUMBER "2" at 27.896,24.541 h0.25; ASSEMBLY_TOP "0R" at 27.344,24.414 h0.25
R8210: PIN_NUMBER "1" at 26.996,25.557 h0.25; PIN_NUMBER "2" at 27.896,25.557 h0.25; ASSEMBLY_TOP "4.7K" at 27.141,25.43 h0.25
R8211: PIN_NUMBER "1" at 53.671,27.031 h0.25 r90; PIN_NUMBER "2" at 53.671,28.481 h0.25 r90; ASSEMBLY_TOP "0R" at 53.697,27.756 h0.25 r90
R8212: PIN_NUMBER "2" at 50.962,32.065 h0.25; PIN_NUMBER "1" at 50.062,32.065 h0.25; ASSEMBLY_TOP "10K" at 50.309,31.938 h0.25
R8213: PIN_NUMBER "1" at 50.062,34.269 h0.25; PIN_NUMBER "2" at 50.962,34.269 h0.25; ASSEMBLY_TOP "150K" at 50.207,34.142 h0.25
R8214: PIN_NUMBER "2" at 50.062,36.238 h0.25 r180; PIN_NUMBER "1" at 50.962,36.238 h0.25 r180; ASSEMBLY_TOP "33K" at 50.309,36.111 h0.25
R8215: PIN_NUMBER "1" at 39.039,31.811 h0.25; PIN_NUMBER "2" at 39.939,31.811 h0.25; ASSEMBLY_TOP "10K" at 39.285,31.684 h0.25
R8216: PIN_NUMBER "1" at 39.039,34.015 h0.25; PIN_NUMBER "2" at 39.939,34.015 h0.25; ASSEMBLY_TOP "100K" at 39.184,33.888 h0.25
R8217: PIN_NUMBER "2" at 39.039,35.984 h0.25 r180; PIN_NUMBER "1" at 39.939,35.984 h0.25 r180; ASSEMBLY_TOP "100K" at 39.184,35.857 h0.25
R8300: PIN_NUMBER "1" at 99.712,25.345 h0.25 r180; PIN_NUMBER "2" at 98.812,25.345 h0.25 r180; ASSEMBLY_TOP "100K" at 98.957,25.218 h0.25
R8301: PIN_NUMBER "2" at 98.812,26.374 h0.25 r180; PIN_NUMBER "1" at 99.712,26.374 h0.25 r180; ASSEMBLY_TOP "0R" at 99.16,26.247 h0.25
R8302: PIN_NUMBER "1" at 99.712,27.403 h0.25 r180; PIN_NUMBER "2" at 98.812,27.403 h0.25 r180; ASSEMBLY_TOP "4.7K" at 98.957,27.276 h0.25
R8303: PIN_NUMBER "1" at 90.535,27.42 h0.25 r180; PIN_NUMBER "2" at 89.635,27.42 h0.25 r180; ASSEMBLY_TOP "10K" at 89.882,27.293 h0.25
R8304: PIN_NUMBER "1" at 93.278,27.42 h0.25 r180; PIN_NUMBER "2" at 92.378,27.42 h0.25 r180; ASSEMBLY_TOP "10K" at 92.625,27.293 h0.25
R8305: PIN_NUMBER "1" at 86.892,27.42 h0.25; PIN_NUMBER "2" at 87.792,27.42 h0.25; ASSEMBLY_TOP "10K" at 87.139,27.293 h0.25
R8306: PIN_NUMBER "2" at 94.022,13.838 h0.25 r270; PIN_NUMBER "1" at 94.022,14.738 h0.25 r270; ASSEMBLY_TOP "12K" at 93.946,14.288 h0.25 r90